# KiCad board power-stage.kicad_pcb
title: OreSat Reaction Wheel Control Board; date: 2022-04-02; rev: 7; company: Microdogs & Microelectronics LLC
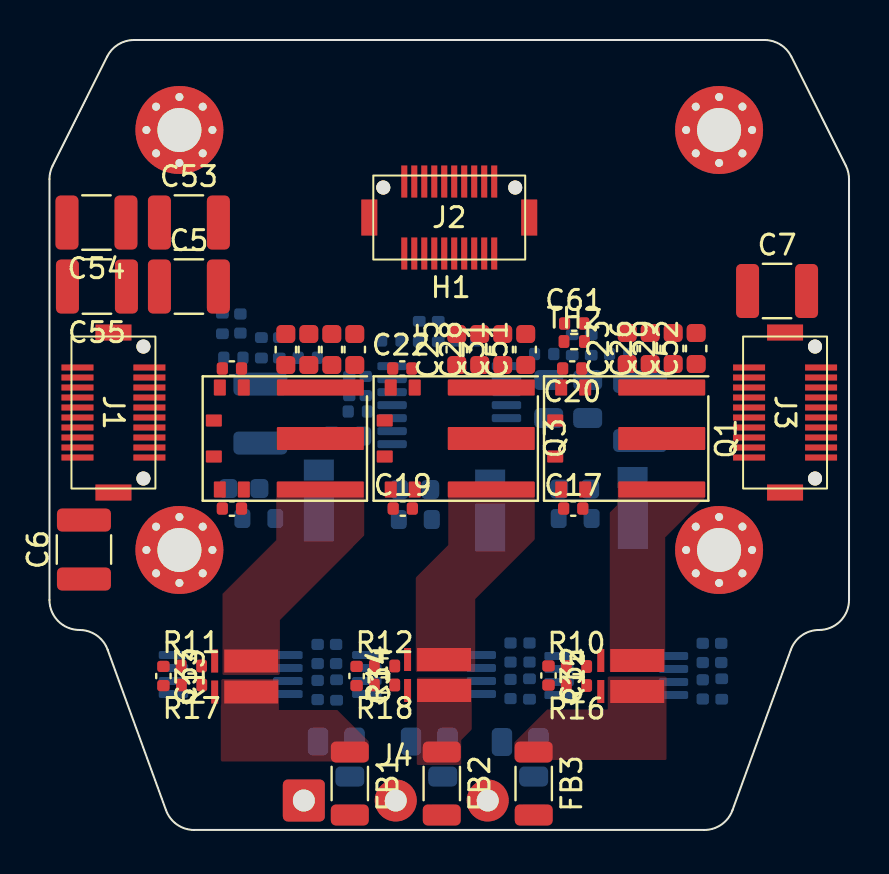
[diagram p0: board, top side]
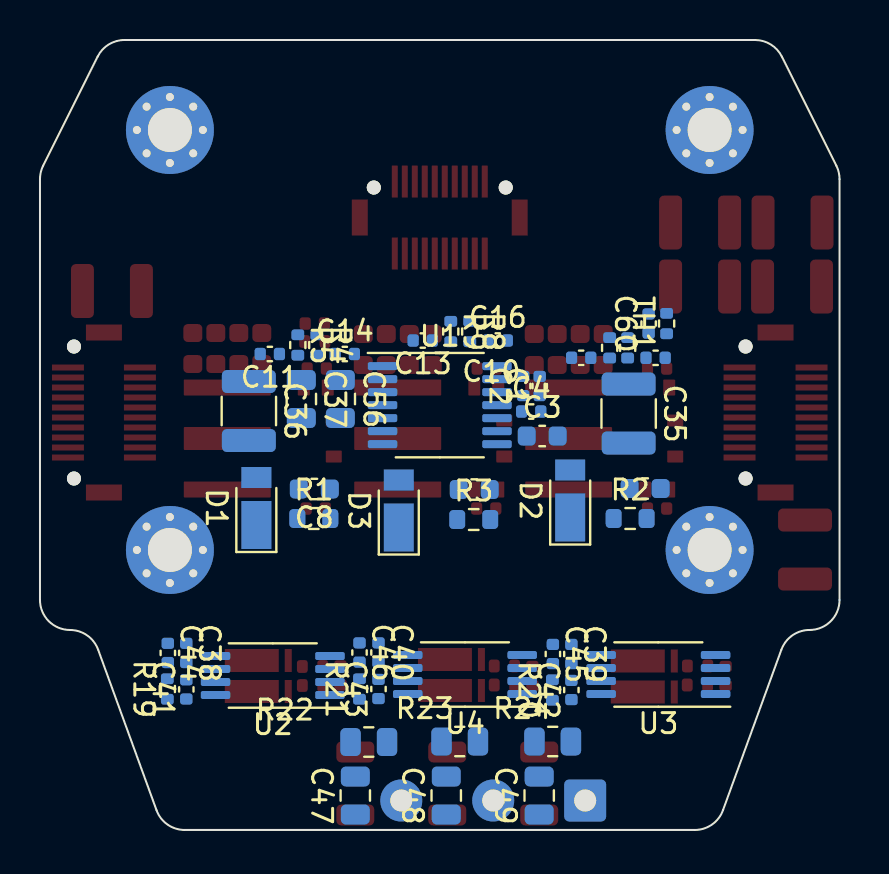
[diagram p1: board, bottom side, seen from below]

Outline 40 x 39.5 mm; copper layers: Top, In1.Cu, In2.Cu, In3.Cu, In4.Cu, Bottom. Coordinates in mm from the lower left corner of the outline.
Stack: Top 0.0432mm / dielectric 0.2787mm FR4 er 4.5 / In1.Cu 0.0173mm / dielectric 0.2787mm FR4 er 4.5 / In2.Cu 0.0173mm / dielectric 0.2787mm FR4 er 4.5 / In3.Cu 0.0173mm / dielectric 0.2787mm FR4 er 4.5 / In4.Cu 0.0173mm / dielectric 0.2787mm FR4 er 4.5 / Bottom 0.0432mm

## Placement (name value [footprint] x y rotation side)
C1  1u  [C_0402_1005Metric]  15 22.2 90 bottom
C2  100n  [C_0402_1005Metric]  15.83 22.2 90 bottom
C3  4.7u  [C_0603_1608Metric]  14.88 19.7 180 bottom
C4  100n  [C_0402_1005Metric]  15.43 20.92 180 bottom
C5  47u  [C_1210_3225Metric]  6.98 27.17 0 top
C6  47u  [C_1210_3225Metric]  1.73 14.02 90 top
C7  47u  [C_1210_3225Metric]  36.4 26.95 0 top
C8  4.7u  [C_0603_1608Metric]  26.28 17.05 0 bottom
C9  4.7u  [C_0603_1608Metric]  9.73 17.07 0 bottom
C10  4.7u  [C_0603_1608Metric]  18.28 17.02 0 bottom
C11  47p  [C_0402_1005Metric]  28.5 23.8 0 bottom
C12  47p  [C_0402_1005Metric]  12.93 23.61 0 bottom
C13  47p  [C_0402_1005Metric]  20.85 24.47 0 bottom
C14  47p  [C_0402_1005Metric]  24.75 23.8 180 bottom
C15  47p  [C_0402_1005Metric]  9.2 23.61 180 bottom
C16  47p  [C_0402_1005Metric]  17.1 24.47 180 bottom
C17  100n  [C_0402_1005Metric]  26.2 16.07 0 top
C18  100n  [C_0402_1005Metric]  9.13 16.07 0 top
C19  100n  [C_0402_1005Metric]  17.68 16.07 0 top
C20  100n  [C_0402_1005Metric]  26.15 23.07 180 top
C21  100n  [C_0402_1005Metric]  9.13 23.07 180 top
C22  100n  [C_0402_1005Metric]  17.65 23.07 180 top
C23  100n  [C_0603_1608Metric]  28.9 24.07 90 top
C24  100n  [C_0603_1608Metric]  11.83 24.02 90 top
C25  100n  [C_0603_1608Metric]  20.38 24.02 90 top
C26  10u  [C_0603_1608Metric]  30.05 24.07 90 top
C27  10u  [C_0603_1608Metric]  12.98 24.02 90 top
C28  4.7u  [C_0603_1608Metric]  21.53 24.02 90 top
C29  10u  [C_0603_1608Metric]  31.2 24.07 90 top
C30  10u  [C_0603_1608Metric]  14.13 24.02 90 top
C31  4.7u  [C_0603_1608Metric]  22.68 24.02 90 top
C32  1.5n  [C_0402_1005Metric]  24.96 7.72 270 top
C33  1.5n  [C_0402_1005Metric]  5.7 7.7 270 top
C34  1.5n  [C_0402_1005Metric]  15.36 7.7 270 top
C35  47u  [C_1210_3225Metric]  10.55 20.82 270 bottom
C36  47u  [C_1210_3225Metric]  29.55 20.95 270 bottom
C37  22u  [C_0805_2012Metric]  26.93 21.55 270 bottom
C38  100n  [C_0402_1005Metric]  32.68 8.85 270 bottom
C39  100n  [C_0402_1005Metric]  13.41 8.8 270 bottom
C40  100n  [C_0402_1005Metric]  23.06 8.87 270 bottom
C41  100n  [C_0402_1005Metric]  32.68 7.03 90 bottom
C42  100n  [C_0402_1005Metric]  13.41 7 90 bottom
C43  100n  [C_0402_1005Metric]  23.06 7.05 90 bottom
C44  2.2u  [C_0402_1005Metric]  33.6 8.85 270 bottom
C45  2.2u  [C_0402_1005Metric]  14.34 8.8 270 bottom
C46  2.2u  [C_0402_1005Metric]  24.01 8.87 270 bottom
C47  3.3n  [C_0805_2012Metric]  24.23 1.72 90 bottom
C48  3.3n  [C_0805_2012Metric]  19.68 1.72 90 bottom
C49  3.3n  [C_0805_2012Metric]  15.03 1.72 90 bottom
C50  10u  [C_0603_1608Metric]  15.27 24.02 90 top
C51  10u  [C_0603_1608Metric]  23.83 24.02 90 top
C52  10u  [C_0603_1608Metric]  32.35 24.07 90 top
C53  47u  [C_1210_3225Metric]  6.98 30.37 0 top
C54  47u  [C_1210_3225Metric]  2.35 30.37 180 top
C55  47u  [C_1210_3225Metric]  2.38 27.17 180 top
C56  22u  [C_0805_2012Metric]  24.98 21.55 270 bottom
C60  1u  [C_0402_1005Metric]  9.55 25.32 90 bottom
C61  1u  [C_0402_1005Metric]  26.25 25.32 0 top
D1  D_Schottky_Small  [D_PowerDI-123]  29.18 16.1 90 bottom
D2  D_Schottky_Small  [D_PowerDI-123]  13.48 16.47 90 bottom
D3  D_Schottky_Small  [D_PowerDI-123]  22.05 15.97 90 bottom
FB1  BLM31SN500SN1L  [L_1206_3216Metric]  15.03 2.32 270 top
FB2  BLM31SN500SN1L  [L_1206_3216Metric]  19.63 2.32 270 top
FB3  BLM31SN500SN1L  [L_1206_3216Metric]  24.23 2.32 270 top
H1  MountingHole_Pad  [board-def]  20 24.72 0 top
J1  -  [10132797-021100LF]  3.2 20.87 270 top
J2  -  [10132797-021100LF]  20 30.62 0 top
J3  -  [10132797-021100LF]  36.8 20.87 270 top
J4  Motor  [SolderWire-0.5sqmm_1x03_P4.6mm_D0.9mm_OD2.1mm]  12.73 1.47 0 top
Q1  LMG5200  [Texas_MOF0009A]  28.85 19.57 270 top
Q2  LMG5200  [Texas_MOF0009A]  11.78 19.57 270 top
Q3  LMG5200  [Texas_MOF0009A]  20.33 19.57 270 top
R1  0  [R_0603_1608Metric]  26.3 15.57 180 bottom
R2  0  [R_0603_1608Metric]  10.48 15.57 180 bottom
R3  0  [R_0603_1608Metric]  18.3 15.52 180 bottom
R4  20  [R_0402_1005Metric]  26.15 24.25 270 bottom
R5  20  [R_0402_1005Metric]  27.1 24.25 270 bottom
R6  20  [R_0402_1005Metric]  10.6 24.11 270 bottom
R7  20  [R_0402_1005Metric]  11.5 24.11 270 bottom
R8  20  [R_0402_1005Metric]  18.5 24.92 270 bottom
R9  20  [R_0402_1005Metric]  19.45 24.92 270 bottom
R10  0  [R_0402_1005Metric]  26.36 8.17 0 top
R11  0  [R_0402_1005Metric]  7.1 8.2 0 top
R12  0  [R_0402_1005Metric]  16.76 8.2 0 top
R13  10m  [KRL3216]  9.76 7.67 90 top
R14  10m  [KRL3216]  19.41 7.75 90 top
R15  10m  [KRL3216]  29.08 7.7 90 top
R16  0  [R_0402_1005Metric]  26.36 7.22 180 top
R17  0  [R_0402_1005Metric]  7.11 7.25 180 top
R18  0  [R_0402_1005Metric]  16.76 7.25 180 top
R19  0  [R_0402_1005Metric]  33.63 7.05 90 bottom
R20  0  [R_0402_1005Metric]  14.36 7 90 bottom
R21  0  [R_0402_1005Metric]  24.01 7.05 90 bottom
R22  12  [R_0805_2012Metric]  23.55 4.4 180 bottom
R23  12  [R_0805_2012Metric]  19 4.42 180 bottom
R24  12  [R_0805_2012Metric]  14.35 4.42 180 bottom
TH1  TH05-4B104FR  [R_0402_1005Metric]  8.65 25.32 90 bottom
TH2  TH05-4B104FR  [R_0402_1005Metric]  26.25 24.42 0 top
U1  AS5047P  [TSSOP-14_4.4x5mm_P0.65mm]  20 21.24 180 bottom
U2  INA240A1PW  [TSSOP-8_4.4x3mm_P0.65mm]  28.35 7.72 0 bottom
U3  INA240A1PW  [TSSOP-8_4.4x3mm_P0.65mm]  9.06 7.77 0 bottom
U4  INA240A1PW  [TSSOP-8_4.4x3mm_P0.65mm]  18.74 7.77 0 bottom

## Library data of the parts
C35 C36 = -: P/N: GRM32EC81C476ME15L
C37 C56 = -: P/N: GRT21BR61E226ME13L
R13-R15 = -: P/N: KRL3216T4A-M-R010-F-T1

## Footprints (pads in the part's own frame, mm; a bottom-side part is the same pattern mirrored in y, then rotated)
10132797-021100LF
  round 0.7 hole 0.7 unplated: (-3.3,1.5) (3.3,1.5)
  rect 0.3x1.6 smd: 1(-2.25,-1.8) 2(-1.75,-1.8) 3(-1.25,-1.8) 4(-0.75,-1.8) 5(-0.25,-1.8) 6(0.25,-1.8) 7(0.75,-1.8) 8(1.25,-1.8) 9(1.75,-1.8) 10(2.25,-1.8) 11(2.25,1.8) 12(1.75,1.8) 13(1.25,1.8) 14(0.75,1.8) 15(0.25,1.8) 16(-0.25,1.8) 17(-0.75,1.8) 18(-1.25,1.8) 19(-1.75,1.8) 20(-2.25,1.8)
  rect 0.8x1.8 smd: MP(-4,0) MP(4,0)
board-def
  round 0.7 hole 0.4: 1(-15.15,10.277) 1(-15.15,-10.723) 1(-14.667,11.444) 1(-14.667,9.11) 1(-14.667,-9.556) 1(-14.667,-11.89) 1(-13.5,11.927) 1(-13.5,8.627) 1(-13.5,-9.073) 1(-13.5,-12.373) 1(-12.333,11.444) 1(-12.333,9.11) 1(-12.333,-9.556) 1(-12.333,-11.89) 1(-11.85,10.277) 1(-11.85,-10.723) 1(11.85,10.277) 1(11.85,-10.723) 1(12.333,11.444) 1(12.333,9.11) 1(12.333,-9.556) 1(12.333,-11.89) 1(13.5,11.927) 1(13.5,8.627) 1(13.5,-9.073) 1(13.5,-12.373) 1(14.667,11.444) 1(14.667,9.11) 1(14.667,-9.556) 1(14.667,-11.89) 1(15.15,10.277) 1(15.15,-10.723)
  round 4.4 hole 2.2: 1(-13.5,10.277) 1(-13.5,-10.723) 1(13.5,10.277) 1(13.5,-10.723)
C_0402_1005Metric
  rrect 0.56x0.62 smd: 1(-0.48,0) 2(0.48,0)
C_0603_1608Metric
  rrect 0.9x0.95 smd: 1(-0.775,0) 2(0.775,0)
C_0805_2012Metric
  rrect 1x1.45 smd: 1(-0.95,0) 2(0.95,0)
C_1210_3225Metric
  rrect 1.15x2.7 smd: 1(-1.475,0) 2(1.475,0)
D_PowerDI-123
  rect 2.4x1.5 smd: 1(-0.85,0)
  rect 1.05x1.5 smd: 2(1.525,0)
KRL3216
  rect 1.15x2.7 smd: 1(0.775,-0.325) 4(-0.775,-0.325)
  rect 1.15x0.35 smd: 2(0.775,1.5) 3(-0.775,1.5)
L_1206_3216Metric
  rrect 1.05x1.9 smd: 1(-1.575,0) 2(1.575,0)
R_0402_1005Metric
  rrect 0.54x0.64 smd: 1(-0.51,0) 2(0.51,0)
R_0603_1608Metric
  rrect 0.8x0.95 smd: 1(-0.825,0) 2(0.825,0)
R_0805_2012Metric
  rrect 1.025x1.4 smd: 1(-0.912,0) 2(0.912,0)
SolderWire-0.5sqmm_1x03_P4.6mm_D0.9mm_OD2.1mm
  rrect 2.1x2.1 hole 1.1: 1(0,0)
  round 2.1 hole 1.1: 2(4.6,0) 3(9.2,0)
Texas_MOF0009A
  rrect 0.7x0.59 smd: (-2.55,3.558) (-2.55,2.667) (-2.55,1.778) (-2.55,0.887) (-2.55,-0.003) (2.55,3.558) (2.55,2.667) (2.55,1.778) (2.55,0.887) (2.55,-0.003)
  rrect 1.05x0.59 smd: (0,3.558) (0,2.667) (0,1.778) (0,0.887) (0,-0.003)
  rrect 0.8x4.35 smd: 1(-2.55,1.778) 8(2.55,1.778)
  rrect 0.8x0.6 smd: 2(-2.55,-2.053) 3(-2.55,-3.252) 6(2.55,-3.252) 7(2.55,-2.053)
  rrect 0.6x0.8 smd: 4(-0.9,-3.553) 5(0.9,-3.553)
  rrect 1.15x4.35 smd: 9(0,1.778)
TSSOP-8_4.4x3mm_P0.65mm
  rrect 1.475x0.4 smd: 1(-2.862,0.975) 2(-2.862,0.325) 3(-2.862,-0.325) 4(-2.862,-0.975) 5(2.862,-0.975) 6(2.862,-0.325) 7(2.862,0.325) 8(2.862,0.975)
TSSOP-14_4.4x5mm_P0.65mm
  rrect 1.475x0.4 smd: 1(-2.862,1.95) 2(-2.862,1.3) 3(-2.862,0.65) 4(-2.862,0) 5(-2.862,-0.65) 6(-2.862,-1.3) 7(-2.862,-1.95) 8(2.862,-1.95) 9(2.862,-1.3) 10(2.862,-0.65) 11(2.862,0) 12(2.862,0.65) 13(2.862,1.3) 14(2.862,1.95)

## Nets
+3V3A: C7.1 C38.1 C39.1 C40.1 C44.1 C45.1 C46.1 J3.1 J3.20 R19.2 R20.2 R21.2 U2.5 U3.5 U4.5
+5V: C3.1 C4.1 C6.2 J1.9 J1.10 J1.11 J1.12 R1.1 R2.1 R3.1 U1.11
GND: C1.2 C2.2 C3.2 C4.2 C6.1 C7.2 C8.2 C9.2 C10.2 C11.2 C12.2 C13.2 C14.2 C15.2 C16.2 C17.2 C18.2 C19.2 C38.2 C39.2 C40.2 C41.2 C42.2 C43.2 C44.2 C45.2 C46.2 C60.1 C61.1 J1.7 J1.8 J1.13 J1.14 J1.MP J2.1 J2.5 J2.8 J2.10 J2.11 J2.13 J2.16 J2.20 J2.MP J3.2 J3.4 J3.6 J3.8 J3.10 J3.11 J3.13 J3.15 J3.17 J3.19 J3.MP Q1.7 Q2.7 Q3.7 TH1.1 TH2.1 U1.5 U1.13 U2.1 U2.4 U2.6 U3.1 U3.4 U3.6 U4.1 U4.4 U4.6
PGND: C5.2 C23.2 C24.2 C25.2 C26.2 C27.2 C28.2 C29.2 C30.2 C31.2 C35.2 C36.2 C37.2 C50.2 C51.2 C52.2 C53.2 C54.2 C55.2 C56.2 D1.2 D2.2 D3.2 J1.4 J1.5 J1.6 J1.15 J1.16 J1.17 Q1.9 Q2.9 Q3.9
VBUS: C5.1 C23.1 C24.1 C25.1 C26.1 C27.1 C28.1 C29.1 C30.1 C31.1 C35.1 C36.1 C37.1 C50.1 C51.1 C52.1 C53.1 C54.1 C55.1 C56.1 J1.1 J1.2 J1.3 J1.18 J1.19 J1.20 Q1.1 Q2.1 Q3.1
/CHASSIS: H1.1
/ENC_A: J2.9 U1.7
/ENC_B: J2.12 U1.6
/IA_SNS: J3.5 J3.16 U3.8
/IB_SNS: J3.7 J3.14 U4.8
/IC_SNS: J3.9 J3.12 U2.8
/PHA: FB1.1 R13.4
/PHA_FLT: C49.1 FB1.2 J4.1
/PHA_H: J2.2 R6.1
/PHA_L: J2.19 R7.1
/PHA_RAW: D2.1 Q2.8 R13.1
/PHB: FB2.1 R14.4
/PHB_FLT: C48.1 FB2.2 J4.2
/PHB_H: J2.3 R8.1
/PHB_L: J2.18 R9.1
/PHB_RAW: D3.1 Q3.8 R14.1
/PHC: FB3.1 R15.4
/PHC_FLT: C47.1 FB3.2 J4.3
/PHC_H: J2.4 R4.1
/PHC_L: J2.17 R5.1
/PHC_RAW: D1.1 Q1.8 R15.1
/SPI_MISO: J2.7 U1.3
/SPI_MOSI: J2.6 U1.4
/SPI_nCS: J2.14 U1.1
/SPI_SCK: J2.15 U1.2
/THERM_A: C60.2 J3.18 TH1.2
/THERM_B: C61.2 J3.3 TH2.2
PWRGND: R22.2 R23.2 R24.2
Net-(C1-Pad1): C1.1 C2.1 U1.12
Net-(C10-Pad1): C10.1 C19.1 Q3.6 R3.2
Net-(C11-Pad1): C11.1 Q1.5 R5.2
Net-(C12-Pad1): C12.1 Q2.5 R7.2
Net-(C13-Pad1): C13.1 Q3.5 R9.2
Net-(C14-Pad1): C14.1 Q1.4 R4.2
Net-(C15-Pad1): C15.1 Q2.4 R6.2
Net-(C16-Pad1): C16.1 Q3.4 R8.2
Net-(C17-Pad1): C8.1 C17.1 Q1.6 R1.2
Net-(C18-Pad1): C9.1 C18.1 Q2.6 R2.2
Net-(C20-Pad1): C20.1 Q1.2
Net-(C20-Pad2): C20.2 Q1.3
Net-(C21-Pad1): C21.1 Q2.2
Net-(C21-Pad2): C21.2 Q2.3
Net-(C22-Pad1): C22.1 Q3.2
Net-(C22-Pad2): C22.2 Q3.3
Net-(C32-Pad1): C32.1 R10.1 U2.3
Net-(C32-Pad2): C32.2 R16.2 U2.2
Net-(C33-Pad1): C33.1 R11.1 U3.3
Net-(C33-Pad2): C33.2 R17.2 U3.2
Net-(C34-Pad1): C34.1 R12.1 U4.3
Net-(C34-Pad2): C34.2 R18.2 U4.2
Net-(C41-Pad1): C41.1 R19.1 U2.7
Net-(C42-Pad1): C42.1 R20.1 U3.7
Net-(C43-Pad1): C43.1 R21.1 U4.7
Net-(C47-Pad2): C47.2 R22.1
Net-(C48-Pad2): C48.2 R23.1
Net-(C49-Pad2): C49.2 R24.1
Net-(R10-Pad2): R10.2 R15.2
Net-(R11-Pad2): R11.2 R13.2
Net-(R12-Pad2): R12.2 R14.2
Net-(R13-Pad3): R13.3 R17.1
Net-(R14-Pad3): R14.3 R18.1
Net-(R15-Pad3): R15.3 R16.1

Pads without a net: U1 8 9 10 14

## Copper pours and planes (outline as drawn; the poured copper is in the pictures)
/PHA on Top: 11.48,6 14.4,6 15.98,4.42 15.98,3.42 8.58,3.42 8.58,7.55 11.48,7.55
/PHA_RAW on Top: 15.75,14.72 11.53,10.5 11.53,7.75 8.65,7.75 8.65,11.8 11.35,14.5 11.35,17.42 15.75,17.42
/PHB on Top: 21.13,5.02 20.6,4.5 20.6,3.25 18.38,3.25 18.38,7.62 21.13,7.62
/PHB_RAW on Top: 24.28,14.52 21.3,11.55 21.3,7.9 18.33,7.9 18.33,12.62 19.95,14.25 19.95,17.42 24.28,17.42
/PHC on Top: 30.88,3.5 23.25,3.5 23.25,4.37 24.9,6.02 27.93,6.02 27.93,7.67 30.88,7.67
/PHC_RAW on Top: 32.8,16.62 30.8,14.62 30.8,7.92 28.03,7.92 28.03,15.87 28.43,16.27 28.43,17.42 32.8,17.42

## Text on the board
User.Comments: 1.65mm Clearance Zone
